# Altium PCB PCB-Tester-Board-V1.PcbDoc (part 1 of 3)
Units mm, origin at the board's own origin, x right, y up, seen from the top; angles counter-clockwise.
Board outline 400 x 300 mm, 2 copper layers (Top Layer, Bottom Layer); 573 components, 588 nets, 2372 pads, 0 vias.
Unrouted connection lines stored in the file: 1691.
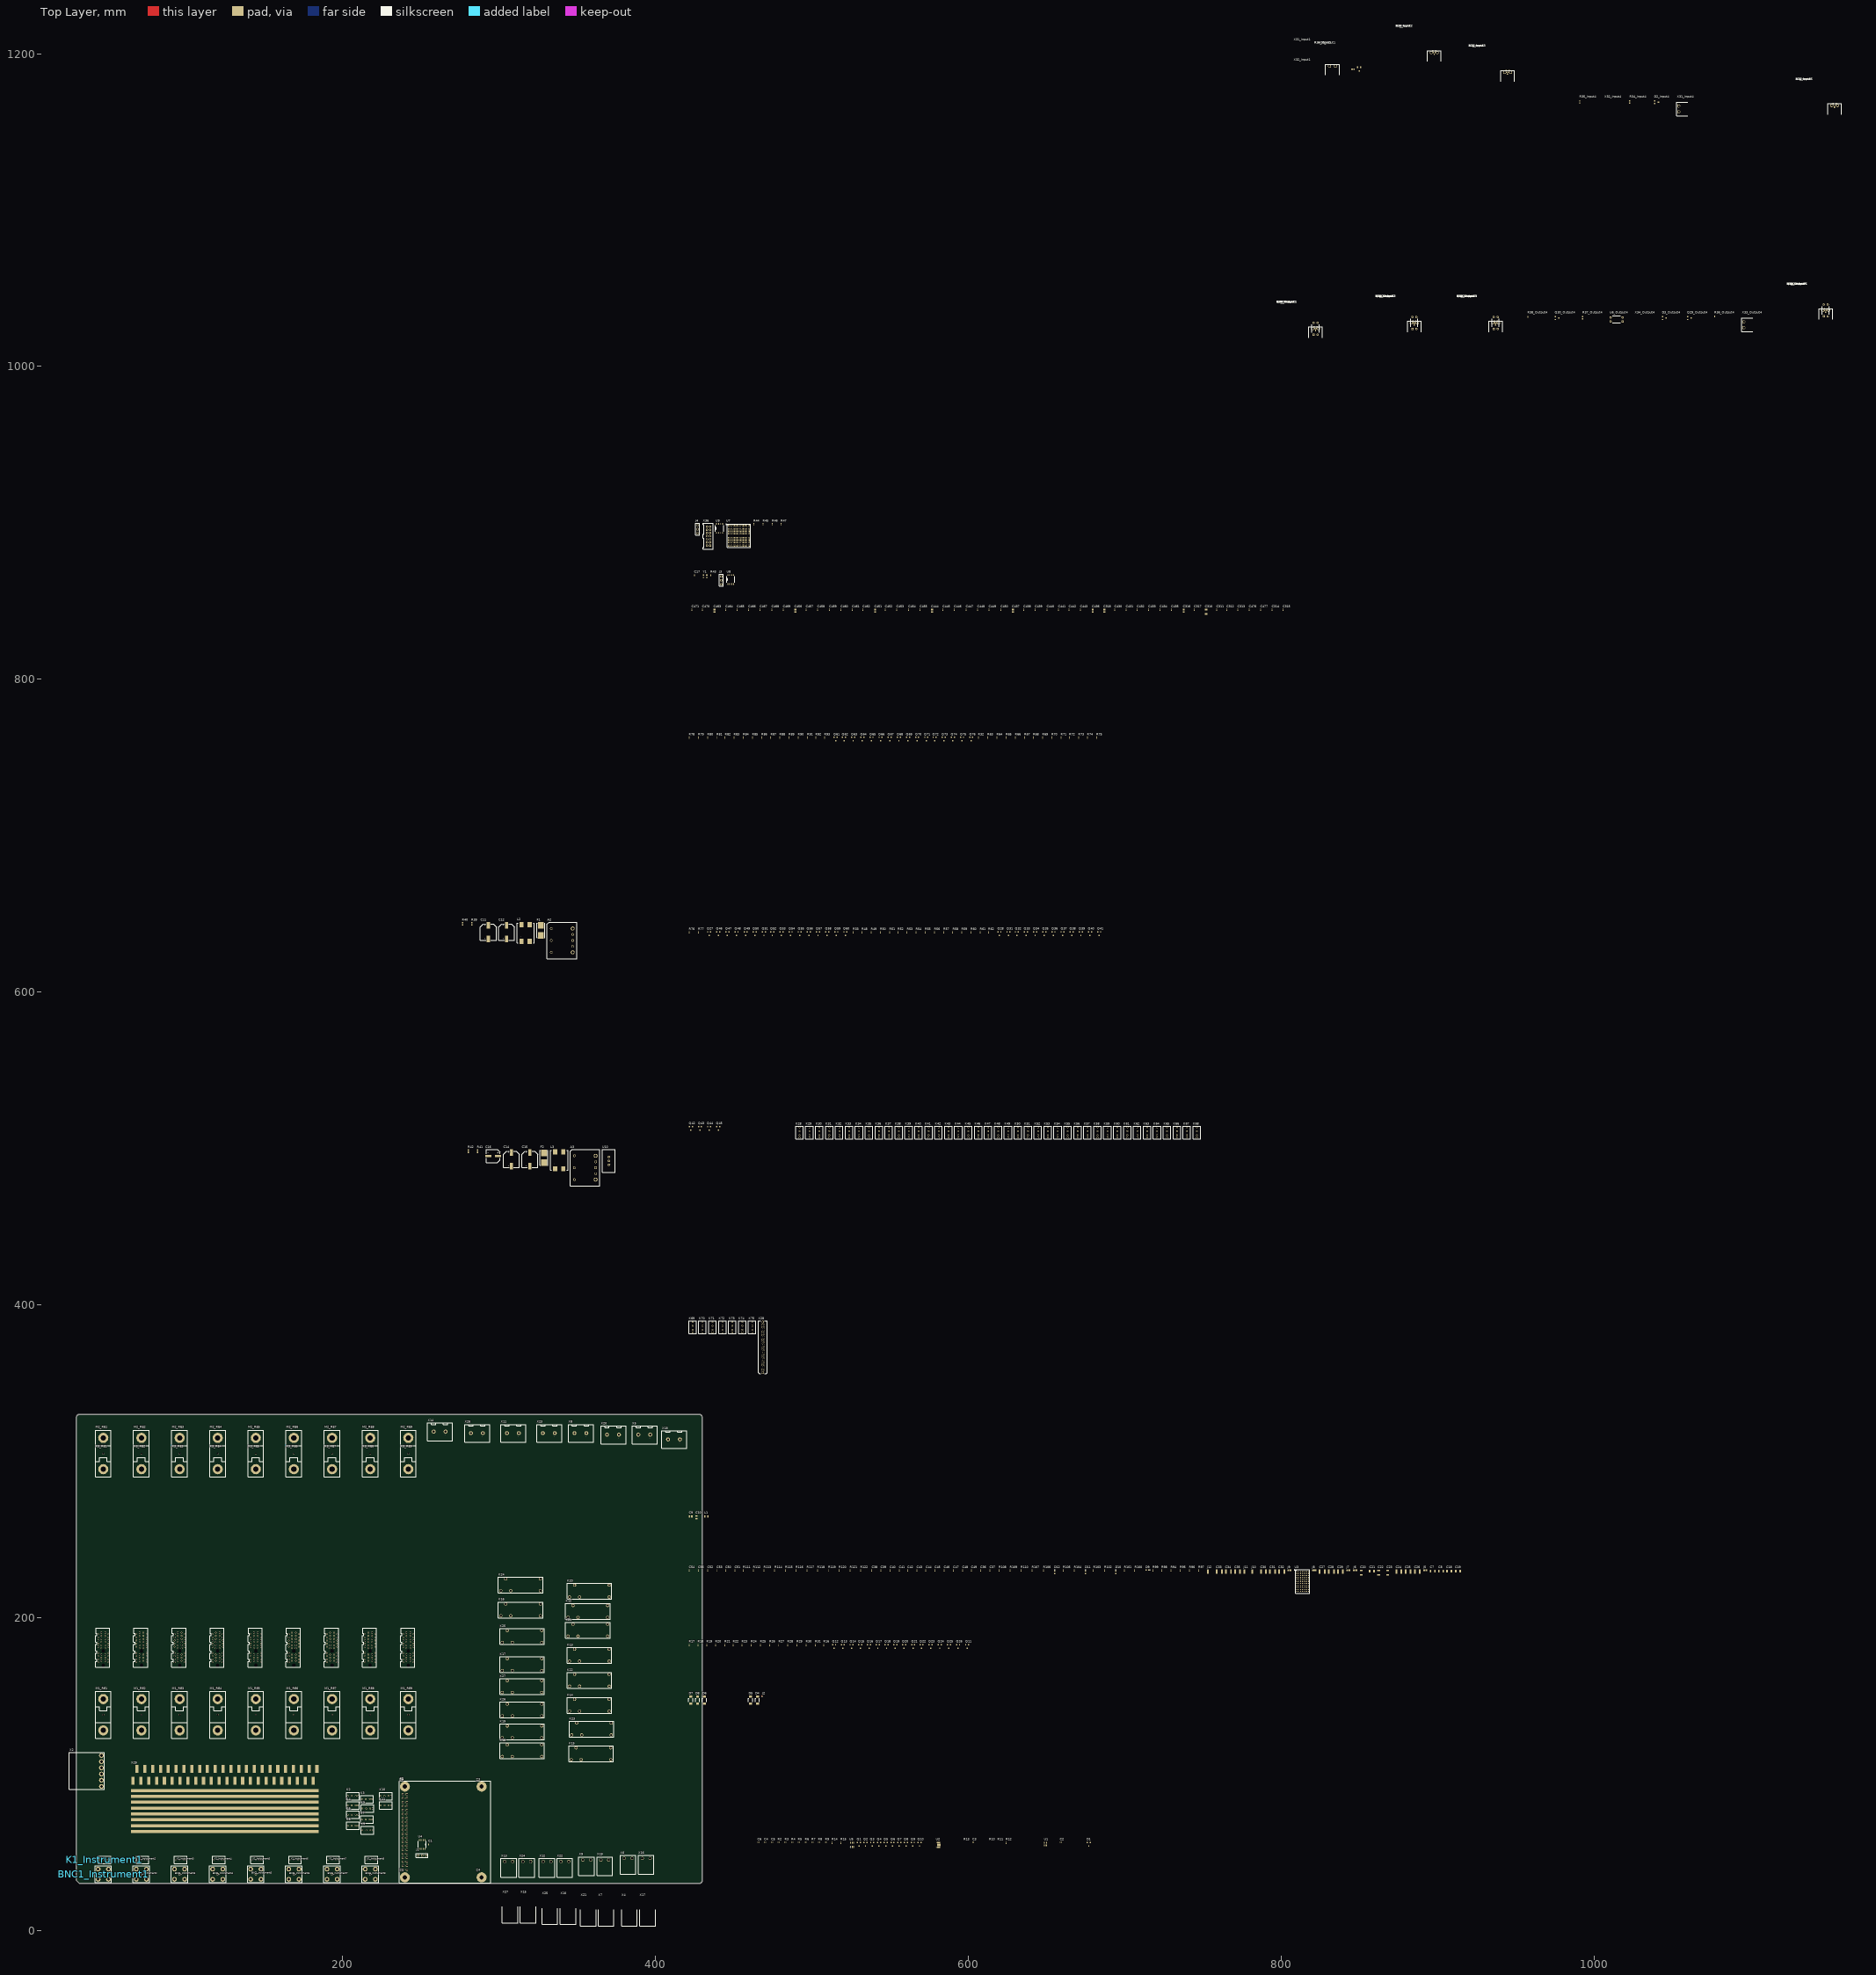
[diagram p0: Top Layer view]
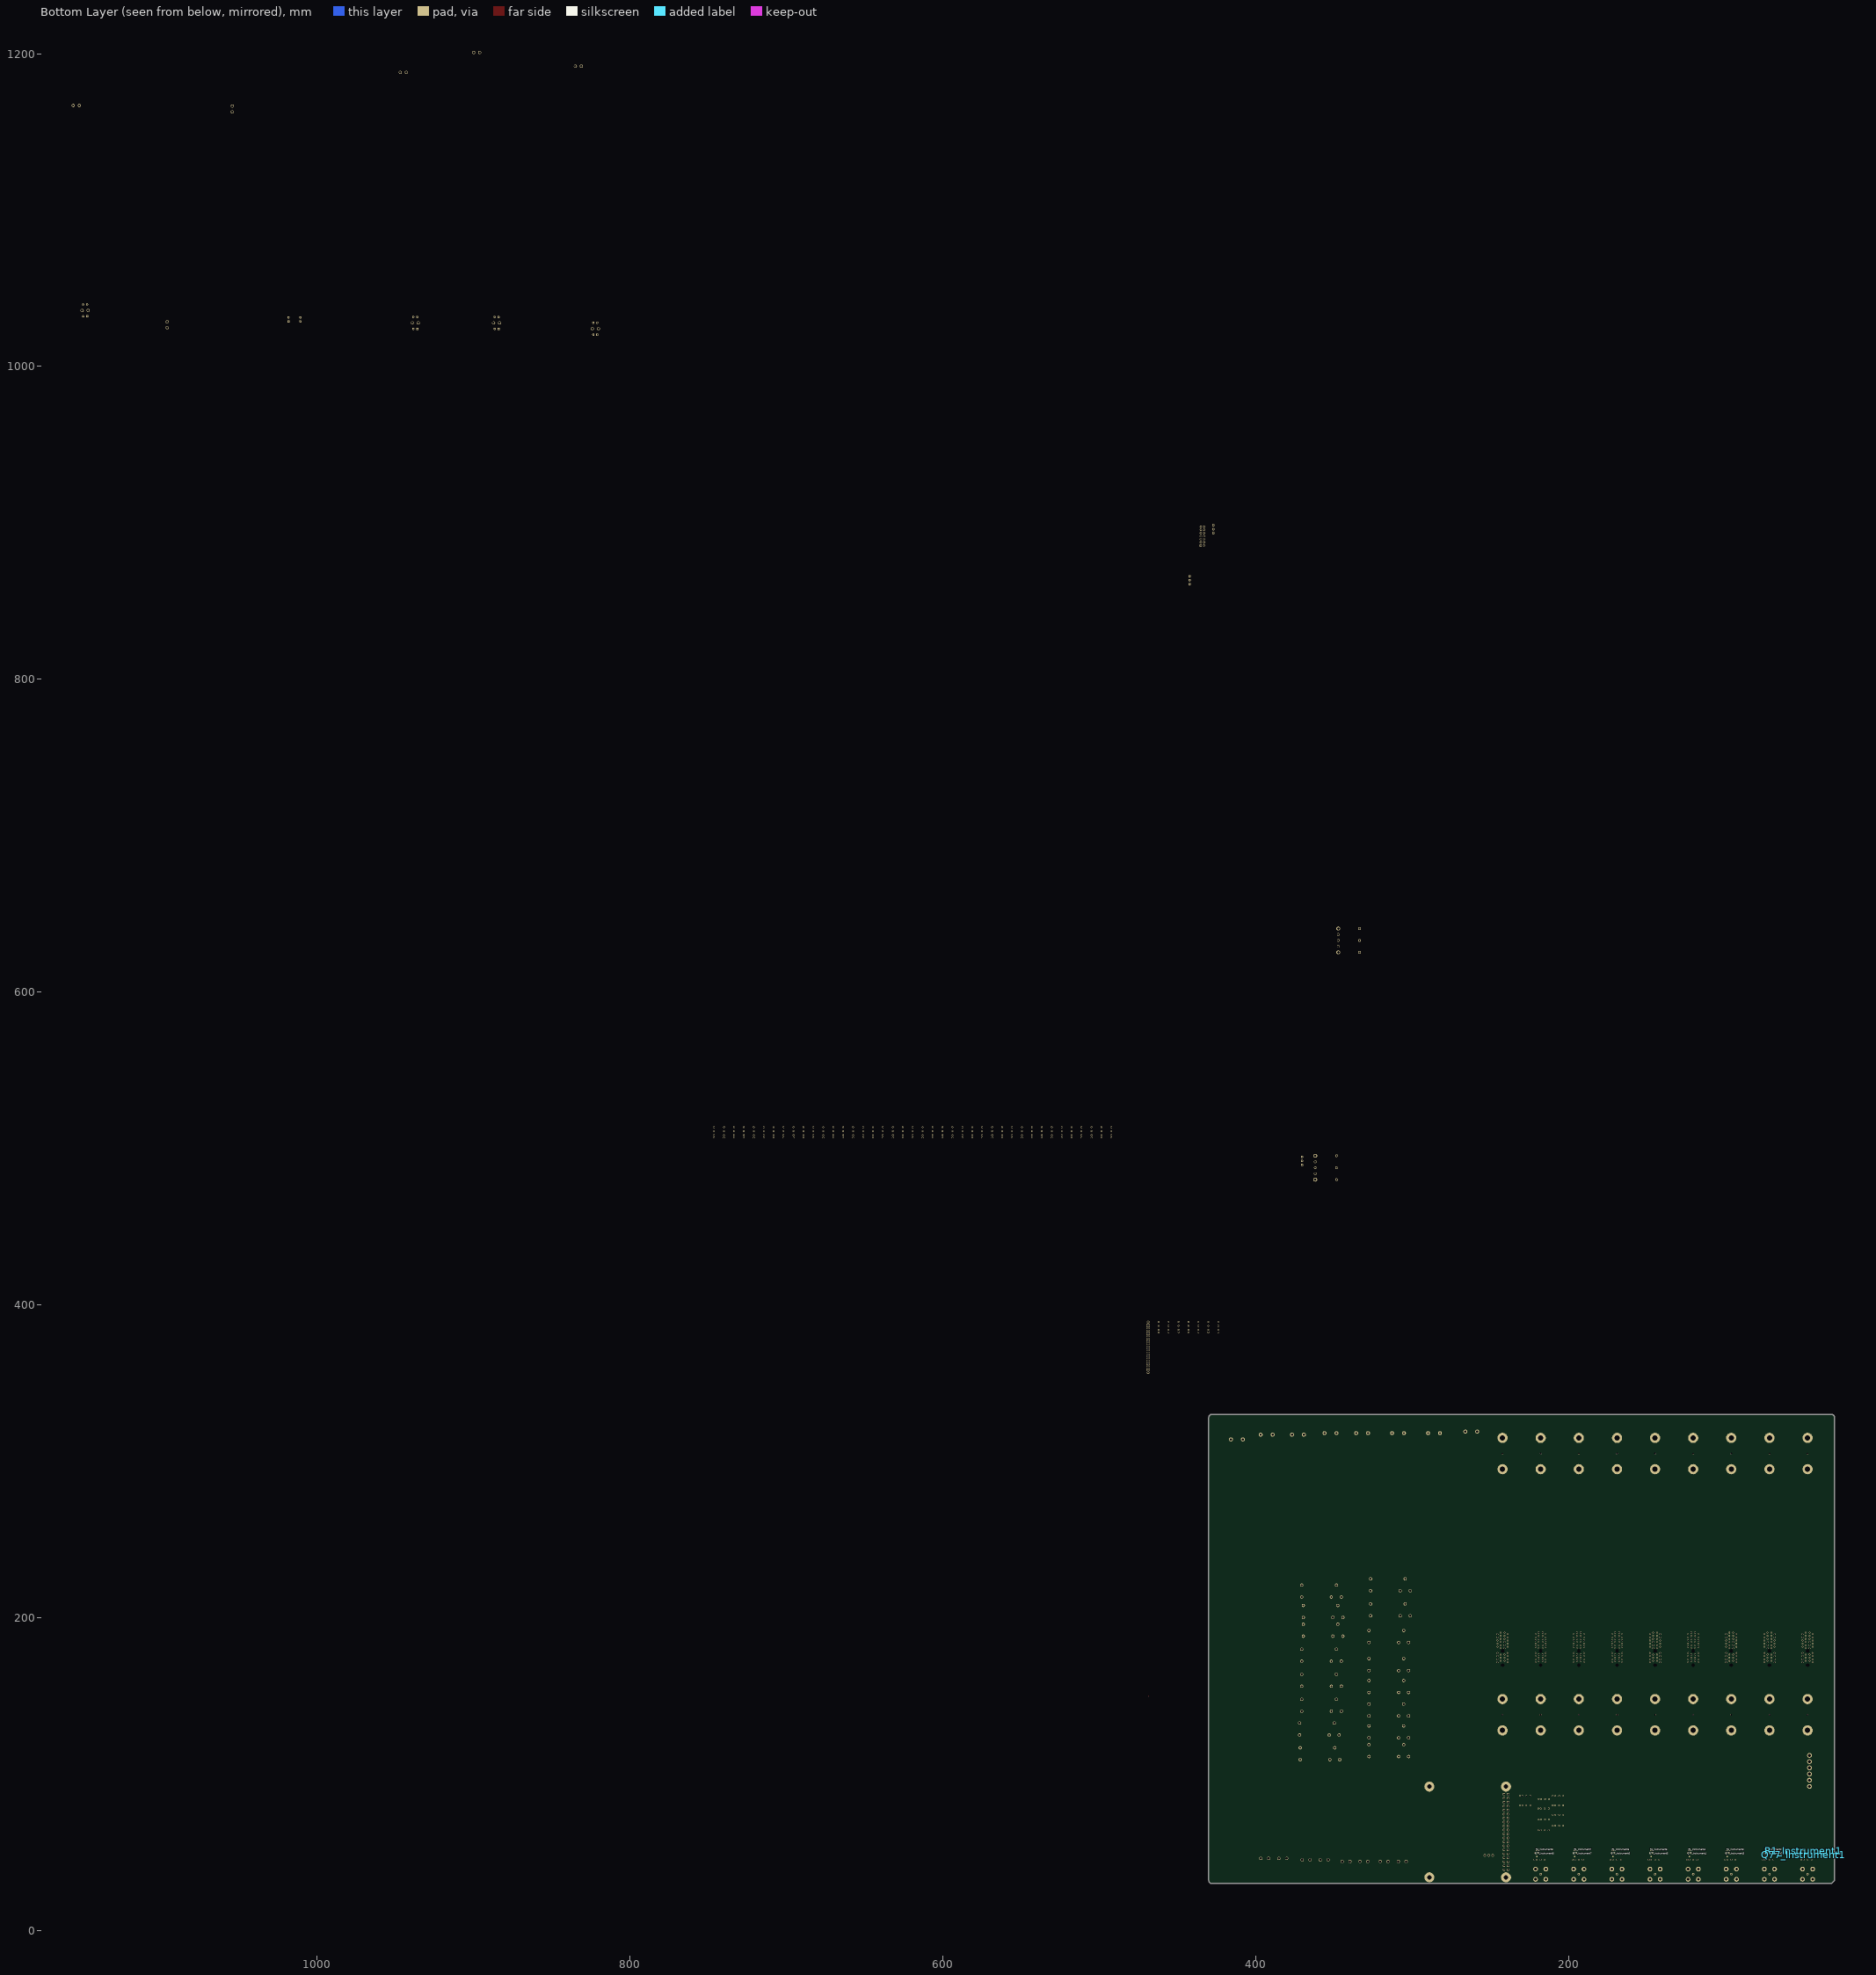
[diagram p1: Bottom Layer view, seen from below]

## Layer stack, top to bottom
Top Solder: solder mask 0.0102, Solder Resist, Dk 3.5
Top Layer: signal copper 0.0356
Dielectric 1: dielectric 0.32, FR-4, Dk 4.8
Bottom Layer: signal copper 0.0356
Bottom Solder: solder mask 0.0102, Solder Resist, Dk 3.5

## Board outline
30,32 30,328 cw(c32,328) 32,330 428,330 cw(c428,328) 430,328 430,32 cw(c428,32) 428,30 32,30

## Design rules (kind name [scope] priority, off if disabled: settings)
Clearance [All] p1: gap=0.254 ignorepadtopadclearanceinfootprint=FALSE except(0: Arc-Hole Track-Hole SMDPad-Hole THPad-Hole Via-Hole Fill-Hole Poly-Hole Region-Hole Text-Hole)
PolygonConnect [All] p1: connectstyle=Relief reliefconductorwidth=0.254 reliefentries=4 polygonreliefangle="90 Angle" airgapwidth=0.254
RoomDefinition X7A15T-Prog [InComponentClass('X7A15T-Prog')] p1: confinementstyle=ConfineIn formatcopy=TRUE lockcomponents=FALSE outline 425.437,883 485,883 485,902.685 425.437,902.685
RoomDefinition X7A15T-Fabric [InComponentClass('X7A15T-Fabric')] p2: confinementstyle=ConfineIn formatcopy=TRUE lockcomponents=FALSE outline 424.584,859.221 451.254,859.221 451.254,870.016 424.584,870.016
RoomDefinition X7A15T-Decoupling [InComponentClass('X7A15T-Decoupling')] p3: confinementstyle=ConfineIn formatcopy=TRUE lockcomponents=FALSE outline 422.749,840.971 807.051,840.971 807.051,847.956 422.749,847.956
RoomDefinition "Signal Routing" [InComponentClass('Signal Routing')] p4: confinementstyle=ConfineIn formatcopy=TRUE lockcomponents=FALSE outline 421.132,355.6 748.919,355.6 748.919,766.191 421.132,766.191
RoomDefinition RelayDriver [InComponentClass('RelayDriver')] p5: confinementstyle=ConfineIn formatcopy=TRUE lockcomponents=FALSE outline 421.132,262.636 434.34,262.636 434.34,268.351 421.132,268.351
RoomDefinition RE9 [InComponentClass('RE9')] p6: confinementstyle=ConfineIn formatcopy=TRUE lockcomponents=FALSE outline 236,122 248,122 248,321 236,321
RoomDefinition RE8 [InComponentClass('RE8')] p7: confinementstyle=ConfineIn formatcopy=TRUE lockcomponents=FALSE outline 211.625,122 223.625,122 223.625,321 211.625,321
RoomDefinition RE7 [InComponentClass('RE7')] p8: confinementstyle=ConfineIn formatcopy=TRUE lockcomponents=FALSE outline 187.25,122 199.25,122 199.25,321 187.25,321
RoomDefinition RE6 [InComponentClass('RE6')] p9: confinementstyle=ConfineIn formatcopy=TRUE lockcomponents=FALSE outline 162.812,122 174.813,122 174.813,321 162.812,321
RoomDefinition RE5 [InComponentClass('RE5')] p10: confinementstyle=ConfineIn formatcopy=TRUE lockcomponents=FALSE outline 138.5,122 150.5,122 150.5,321 138.5,321
RoomDefinition RE4 [InComponentClass('RE4')] p11: confinementstyle=ConfineIn formatcopy=TRUE lockcomponents=FALSE outline 114.125,122 126.125,122 126.125,321 114.125,321
RoomDefinition RE3 [InComponentClass('RE3')] p12: confinementstyle=ConfineIn formatcopy=TRUE lockcomponents=FALSE outline 89.813,122 101.813,122 101.813,321 89.813,321
RoomDefinition RE2 [InComponentClass('RE2')] p13: confinementstyle=ConfineIn formatcopy=TRUE lockcomponents=FALSE outline 65.375,122 77.375,122 77.375,321 65.375,321
RoomDefinition RE1 [InComponentClass('RE1')] p14: confinementstyle=ConfineIn formatcopy=TRUE lockcomponents=FALSE outline 41,122 53,122 53,321 41,321
RoomDefinition PSU3 [InComponentClass('PSU3')] p15: confinementstyle=ConfineIn formatcopy=TRUE lockcomponents=FALSE outline 279.926,475.636 374.795,475.636 374.795,502.306 279.926,502.306
RoomDefinition PSU2 [InComponentClass('PSU2')] p16: confinementstyle=ConfineIn formatcopy=TRUE lockcomponents=FALSE outline 421.259,215.138 915.67,215.138 915.67,233.68 421.259,233.68
RoomDefinition PSU1 [InComponentClass('PSU1')] p17: confinementstyle=ConfineIn formatcopy=TRUE lockcomponents=FALSE outline 276.298,620.951 350.339,620.951 350.339,647.621 276.298,647.621
RoomDefinition "Power Routing" [InComponentClass('Power Routing')] p18: confinementstyle=ConfineIn formatcopy=TRUE lockcomponents=FALSE outline 421.259,154.305 1075.69,154.305 1075.69,186.055 421.259,186.055
RoomDefinition Power [InComponentClass('Power')] p19: confinementstyle=ConfineIn formatcopy=TRUE lockcomponents=FALSE outline 421.132,127.254 471.424,127.254 471.424,153.035 421.132,153.035
RoomDefinition Output5 [InComponentClass('Output5')] p20: confinementstyle=ConfineIn formatcopy=TRUE lockcomponents=FALSE outline 1123.137,1018.678 1154.252,1018.678 1154.252,1054.111 1123.137,1054.111
RoomDefinition Output4 [InComponentClass('Output4')] p21: confinementstyle=ConfineIn formatcopy=TRUE lockcomponents=FALSE outline 957.264,1016.472 1110.934,1016.472 1110.934,1035.776 957.264,1035.776
RoomDefinition Output3 [InComponentClass('Output3')] p22: confinementstyle=ConfineIn formatcopy=TRUE lockcomponents=FALSE outline 912.137,1010.678 943.252,1010.678 943.252,1046.111 912.137,1046.111
RoomDefinition Output2 [InComponentClass('Output2')] p23: confinementstyle=ConfineIn formatcopy=TRUE lockcomponents=FALSE outline 860.137,1010.678 891.252,1010.678 891.252,1046.111 860.137,1046.111
RoomDefinition Output1 [InComponentClass('Output1')] p24: confinementstyle=ConfineIn formatcopy=TRUE lockcomponents=FALSE outline 797,1007 828.115,1007 828.115,1042.433 797,1042.433
RoomDefinition Instrument8 [InComponentClass('Instrument8')] p25: confinementstyle=ConfineIn formatcopy=TRUE lockcomponents=FALSE outline 212,13 224,13 224,52 212,52
RoomDefinition Instrument7 [InComponentClass('Instrument7')] p26: confinementstyle=ConfineIn formatcopy=TRUE lockcomponents=FALSE outline 187,13 200,13 200,52 187,52
RoomDefinition Instrument6 [InComponentClass('Instrument6')] p27: confinementstyle=ConfineIn formatcopy=TRUE lockcomponents=FALSE outline 163,13 175,13 175,52 163,52
RoomDefinition Instrument5 [InComponentClass('Instrument5')] p28: confinementstyle=ConfineIn formatcopy=TRUE lockcomponents=FALSE outline 139,13 151,13 151,52 139,52
RoomDefinition Instrument4 [InComponentClass('Instrument4')] p29: confinementstyle=ConfineIn formatcopy=TRUE lockcomponents=FALSE outline 114,13 126,13 126,52 114,52
RoomDefinition Instrument3 [InComponentClass('Instrument3')] p30: confinementstyle=ConfineIn formatcopy=TRUE lockcomponents=FALSE outline 90,13 102,13 102,52 90,52
RoomDefinition Instrument2 [InComponentClass('Instrument2')] p31: confinementstyle=ConfineIn formatcopy=TRUE lockcomponents=FALSE outline 65,13 78,13 78,52 65,52
RoomDefinition Instrument1 [InComponentClass('Instrument1')] p32: confinementstyle=ConfineIn formatcopy=TRUE lockcomponents=FALSE outline 41,13 53,13 53,52 41,52
RoomDefinition Input5 [InComponentClass('Input5')] p33: confinementstyle=ConfineIn formatcopy=TRUE lockcomponents=FALSE outline 1128.817,1149.718 1159.932,1149.718 1159.932,1185.151 1128.817,1185.151
RoomDefinition Input4 [InComponentClass('Input4')] p34: confinementstyle=ConfineIn formatcopy=TRUE lockcomponents=FALSE outline 990.366,1154.472 1067.582,1154.472 1067.582,1173.649 990.366,1173.649
RoomDefinition Input3 [InComponentClass('Input3')] p35: confinementstyle=ConfineIn formatcopy=TRUE lockcomponents=FALSE outline 919.772,1170.868 950.887,1170.868 950.887,1206.301 919.772,1206.301
RoomDefinition Input2 [InComponentClass('Input2')] p36: confinementstyle=ConfineIn formatcopy=TRUE lockcomponents=FALSE outline 872.885,1183.567 904,1183.567 904,1219 872.885,1219
RoomDefinition Input1 [InComponentClass('Input1')] p37: confinementstyle=ConfineIn formatcopy=TRUE lockcomponents=FALSE outline 821,1173 852.115,1173 852.115,1208.433 821,1208.433
RoomDefinition Controller [InComponentClass('Controller')] p38: confinementstyle=ConfineIn formatcopy=TRUE lockcomponents=FALSE outline 236,6 436,6 436,124 236,124
RoomDefinition ADC [InComponentClass('ADC')] p39: confinementstyle=ConfineIn formatcopy=TRUE lockcomponents=FALSE outline 464.941,48.292 678.809,48.292 678.809,59.595 464.941,59.595
RoutingVias [All] p1: holewidth=0.711 width=1.27 viastyle="Through Hole" minholewidth=0.711 minwidth=1.27 maxholewidth=0.711 maxwidth=1.27
SolderMaskExpansion [All] p1: expansion=0.102
Width [All] p1: maxlimit=0.254 minlimit=0.254 preferedwidth=0.254
30 further rules are at their usual default settings.

## Classes and differential pairs
channel class RelayExtension: RE1 RE2 RE3 RE4 RE5 RE6 RE7 RE8 RE9
channel class Output: Output1 Output2 Output3 Output4 Output5
channel class Instrument: Instrument1 Instrument2 Instrument3 Instrument4 Instrument5 Instrument6 Instrument7 Instrument8
channel class Input: Input1 Input2 Input3 Input4 Input5
net class DRV[87..1]: DRV1 DRV2 DRV3 DRV4 DRV5 DRV6 DRV7 DRV8 DRV9 DRV10 DRV11 DRV12 DRV13 DRV14 DRV15 DRV16 DRV17 DRV18 DRV19 DRV20 DRV21 DRV22 DRV23 DRV24 DRV25 DRV26 DRV27 DRV28 DRV29 DRV30 DRV31 DRV32 DRV33 DRV34 DRV35 DRV36 DRV37 DRV38 DRV39 DRV40 DRV41 DRV42 DRV43 DRV44 DRV45 DRV46 DRV47 DRV48 DRV49 DRV50 DRV51 DRV52 DRV53 DRV54 DRV55 DRV56 DRV57 DRV58 DRV59 DRV60 DRV61 DRV62 DRV63 DRV64 DRV65 DRV66 DRV67 DRV68 DRV69 DRV70 DRV71 DRV72 DRV73 DRV74 DRV75 DRV76 DRV77 DRV78 DRV79 DRV80 DRV81 DRV82 DRV83 DRV84 DRV85 DRV86 DRV87
net class ABUS[7..0]: ABUS0 ABUS1 ABUS2 ABUS3 ABUS4 ABUS5 ABUS6 ABUS7
component class X7A15T-Prog: J4 R44 R45 R46 R47 U7 U9 X36 X37
component class X7A15T-Fabric: C17 J3 R43 U8 X35 Y1
component class X7A15T-Decoupling: C310 C311 C312 C313 C314 C315 C316 C317 C318 C430 C431 C432 C433 C434 C435 C436 C437 C438 C439 C440 C441 C442 C443 C444 C445 C446 C447 C448 C449 C450 C451 C452 C453 C454 C455 C456 C457 C458 C459 C460 C461 C462 C463 C464 C465 C466 C467 C468 C469 C470 C471 C476 C477
component class "Signal Routing": K28 K29 K30 K31 K32 K33 K34 K35 K36 K37 K38 K39 K40 K41 K42 K43 K44 K45 K46 K47 K48 K49 K50 K51 K52 K53 K54 K55 K56 K57 K58 K59 K60 K61 K62 K63 K64 K65 K66 K67 K68 K69 K70 K71 K72 K73 K74 K75 Q27 Q28 Q31 Q32 Q33 Q34 Q35 Q36 Q37 Q38 Q39 Q40 Q41 Q42 Q43 Q44 Q45 Q46 Q47 Q48 Q49 Q50 Q51 Q52 Q53 Q54 Q55 Q56 Q57 Q58 Q59 Q60 Q61 Q62 Q63 Q64 Q65 Q66 Q67 Q68 Q69 Q70 Q71 Q72 Q73 Q74 Q75 Q76 R32 R33 R48 R49 R50 R51 R52 R53 R54 R55 R56 R57 R58 R59 R60 R61 R62 R63 R64 R65 R66 R67 R68 R69 R70 R71 R72 R73 R74 R75 R76 R77 R78 R79 R80 R81 R82 R83 R84 R85 R86 R87 R88 R89 R90 R91 R92 R93 X28 X29 X30
component class RelayDriver: C9 C10 L1
component class RE9: M1_RE9 M2_RE9 X3_RE9
component class RE8: M1_RE8 M2_RE8 X3_RE8
component class RE7: M1_RE7 M2_RE7 X3_RE7
component class RE6: M1_RE6 M2_RE6 X3_RE6
component class RE5: M1_RE5 M2_RE5 X3_RE5
component class RE4: M1_RE4 M2_RE4 X3_RE4
component class RE3: M1_RE3 M2_RE3 X3_RE3
component class RE2: M1_RE2 M2_RE2 X3_RE2
component class RE1: M1_RE1 M2_RE1 X3_RE1
component class PSU3: A3 C14 C15 C16 F2 L3 R41 R42 U10
component class PSU2: C7 C8 C18 C19 C20 C21 C22 C23 C24 C25 C26 C27 C28 C29 C30 C31 C32 C33 C34 C35 C36 C37 C38 C39 C40 C41 C42 C43 C44 C45 C46 C47 C48 C49 C50 C51 C52 C53 C54 C55 D9 D10 D11 D12 J5 J6 J7 J8 J9 J10 J11 J12 R94 R95 R96 R97 R98 R99 R100 R101 R102 R103 R104 R105 R106 R107 R108 R109 R110 R111 R112 R113 R114 R115 R116 R117 R118 R119 R120 R121 R122 U3
component class PSU1: A2 C11 C12 C13 F1 L2 R39 R40
component class Power: D4 D5 D6 D7 D8 J2 X2
component class "Power Routing": K12 K13 K14 K15 K16 K17 K18 K19 K20 K21 K22 K23 K24 K25 K26 K27 Q11 Q12 Q13 Q14 Q15 Q16 Q17 Q18 Q19 Q20 Q21 Q22 Q23 Q24 Q25 Q26 R16 R17 R18 R19 R20 R21 R22 R23 R24 R25 R26 R27 R28 R29 R30 R31 X4 X5 X6 X7 X8 X9 X10 X11 X12 X13 X14 X15 X16 X17 X18 X19 X20 X21 X22 X23 X24 X25 X26 X27
component class Output5: D3_Output5 Q29_Output5 Q30_Output5 R36_Output5 R37_Output5 R38_Output5 U6_Output5 X33_Output5 X34_Output5
component class Output4: D3_Output4 Q29_Output4 Q30_Output4 R36_Output4 R37_Output4 R38_Output4 U6_Output4 X33_Output4 X34_Output4
component class Output3: D3_Output3 Q29_Output3 Q30_Output3 R36_Output3 R37_Output3 R38_Output3 U6_Output3 X33_Output3 X34_Output3
component class Output2: D3_Output2 Q29_Output2 Q30_Output2 R36_Output2 R37_Output2 R38_Output2 U6_Output2 X33_Output2 X34_Output2
component class Output1: D3_Output1 Q29_Output1 Q30_Output1 R36_Output1 R37_Output1 R38_Output1 U6_Output1 X33_Output1 X34_Output1
component class Instrument8: BNC1_Instrument8 K1_Instrument8 Q77_Instrument8 R1_Instrument8
component class Instrument7: BNC1_Instrument7 K1_Instrument7 Q77_Instrument7 R1_Instrument7
component class Instrument6: BNC1_Instrument6 K1_Instrument6 Q77_Instrument6 R1_Instrument6
component class Instrument5: BNC1_Instrument5 K1_Instrument5 Q77_Instrument5 R1_Instrument5
component class Instrument4: BNC1_Instrument4 K1_Instrument4 Q77_Instrument4 R1_Instrument4
component class Instrument3: BNC1_Instrument3 K1_Instrument3 Q77_Instrument3 R1_Instrument3
component class Instrument2: BNC1_Instrument2 K1_Instrument2 Q77_Instrument2 R1_Instrument2
component class Instrument1: BNC1_Instrument1 K1_Instrument1 Q77_Instrument1 R1_Instrument1
component class Input5: D2_Input5 R34_Input5 R35_Input5 X31_Input5 X32_Input5
component class Input4: D2_Input4 R34_Input4 R35_Input4 X31_Input4 X32_Input4
component class Input3: D2_Input3 R34_Input3 R35_Input3 X31_Input3 X32_Input3
component class Input2: D2_Input2 R34_Input2 R35_Input2 X31_Input2 X32_Input2
component class Input1: D2_Input1 R34_Input1 R35_Input1 X31_Input1 X32_Input1
component class Controller: A1 C1 J1 U4 X1 Z1 Z2 Z3 Z4
component class ADC: C2 C3 C4 C5 C6 D1 K2 K3 K4 K5 K6 K7 K8 K9 K10 K11 Q1 Q2 Q3 Q4 Q5 Q6 Q7 Q8 Q9 Q10 R2 R3 R4 R5 R6 R7 R8 R9 R10 R11 R12 R13 R14 R15 U1 U2 U5
